# Altium PCB CU-ON-OFF-V2-08-11-18.PcbDoc (part 5 of 14)
Units mm, origin at the board's own origin, x right, y up, seen from the top; angles counter-clockwise.
Board outline 213 x 122.62 mm, 2 copper layers (Top Layer, Bottom Layer); 304 components, 53 nets, 991 pads, 702 vias.
Unrouted connection lines stored in the file: 1.
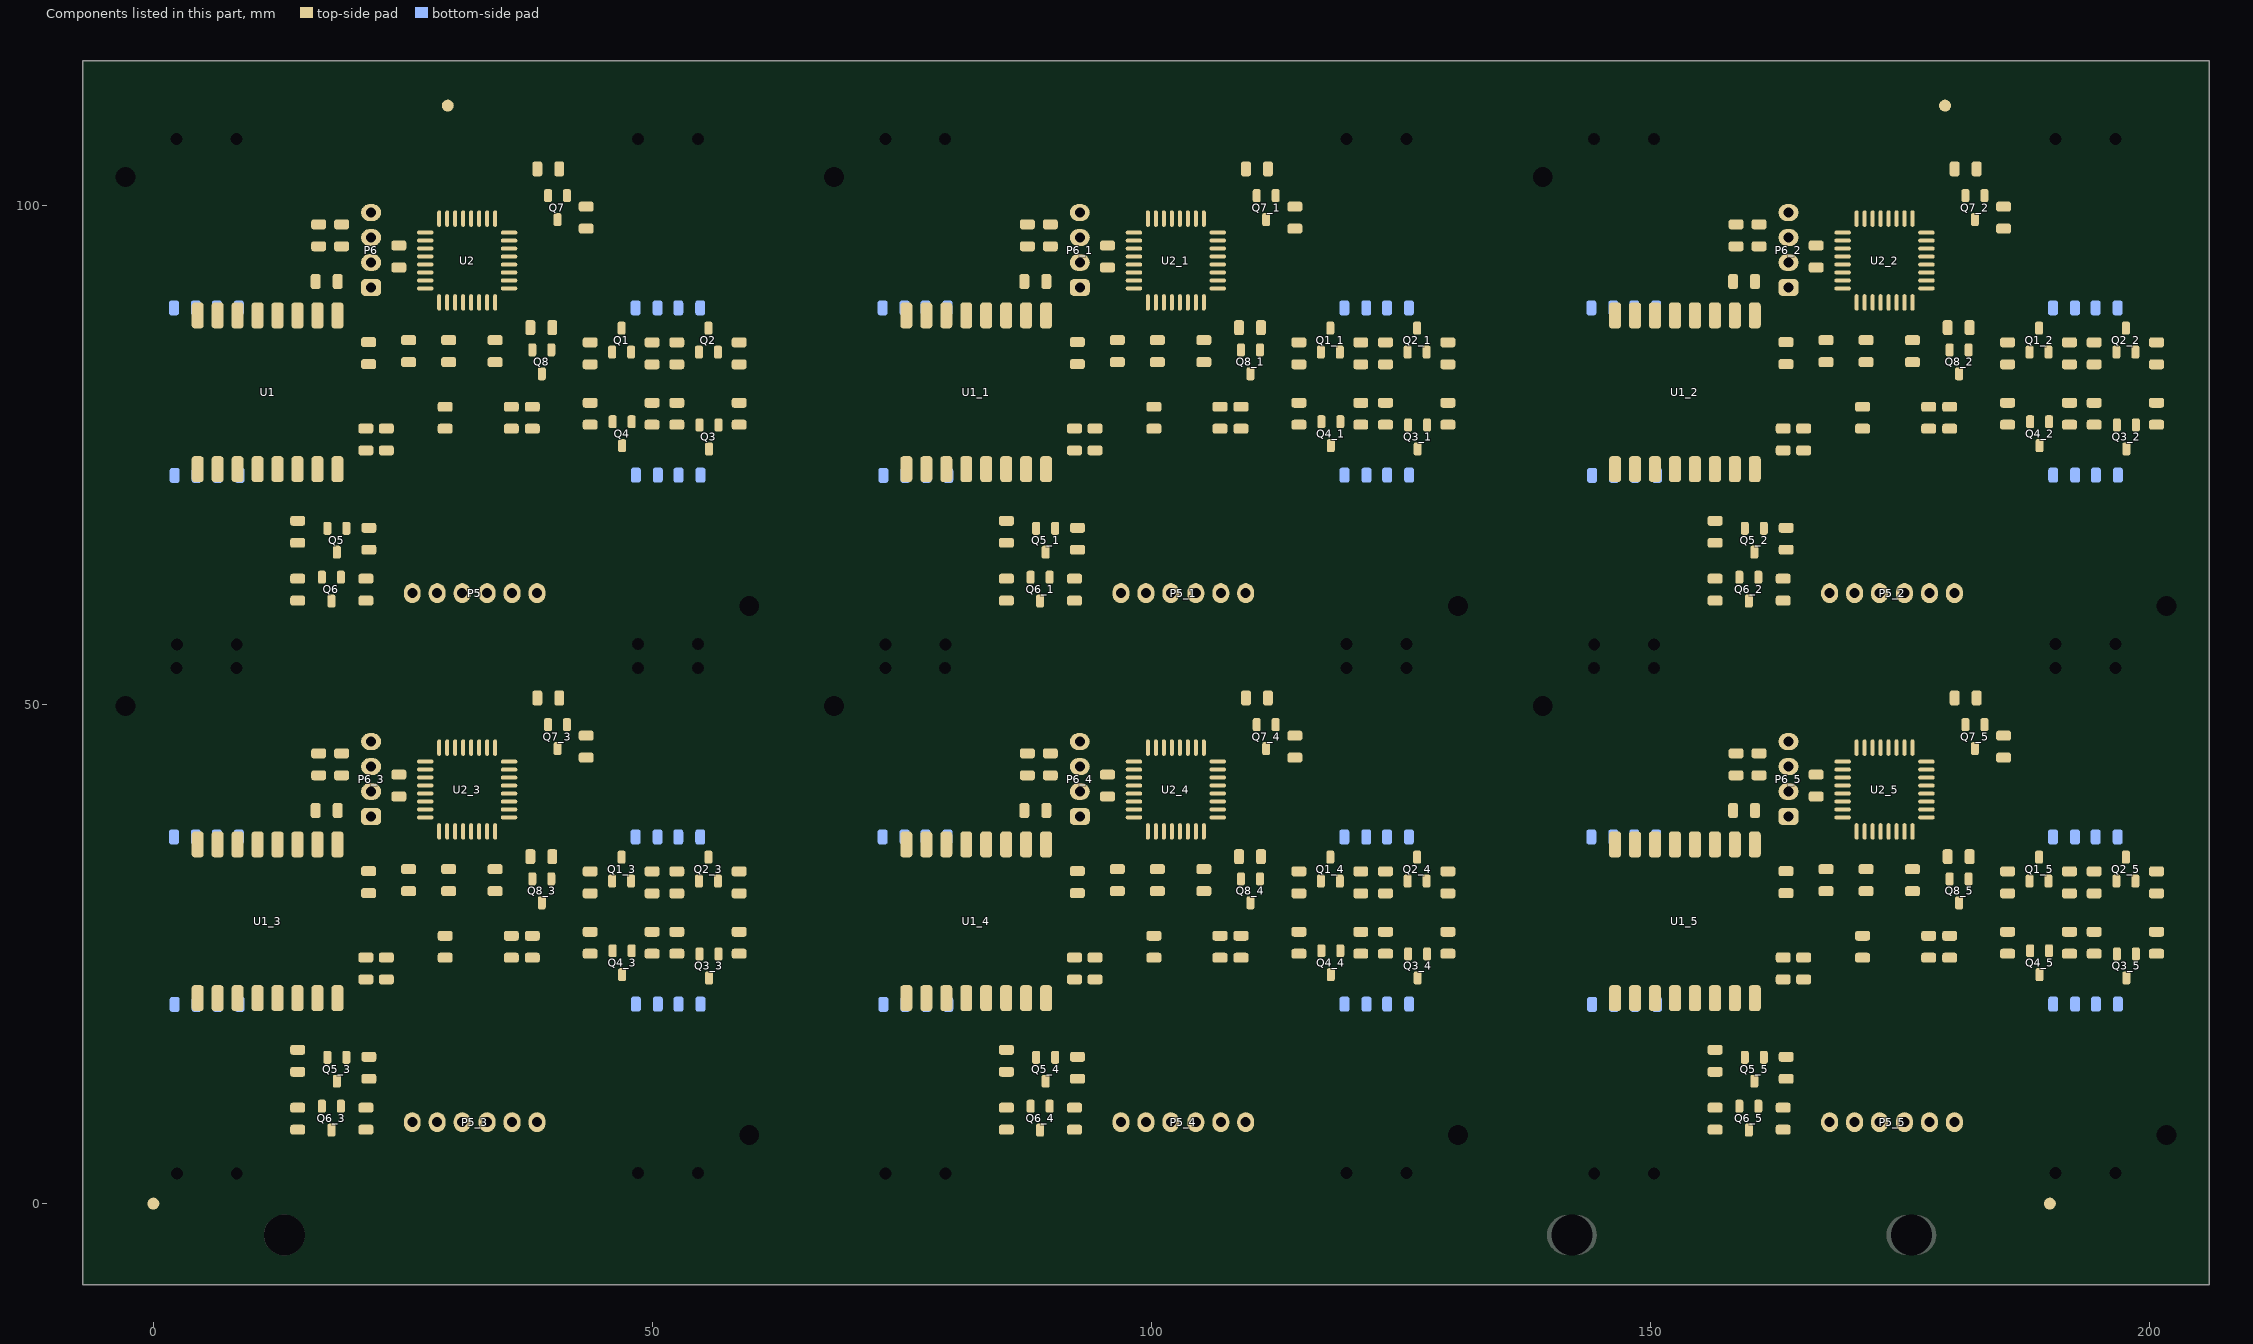
[diagram p5: the components of this part, seen from the top]

## Via types
v1: diameter 0.8, hole 0.5, Top Layer to Bottom Layer, 702 vias

## Nets (pads, with @x,y where several pads share a name; then routed paths per layer and width w, separated by ;. In a path a pad name is that pad's centre, name@x,y a point inside that pad or via, vN(x,y) a via of type N, cw(c..) or ccw(c..) an arc to the next point about the centre after c; other vN are vias at no path point) (continued)
copper on no net: (continued)
  Top Layer w0.4: v1@96.191,44.932 96.191,43.667 ccw(c97.301,43.667) 96.516,42.882 ; v1@96.191,97.931 96.191,96.666 ccw(c97.301,96.666) 96.516,95.881 ; 96.216,20.607 96.845,19.977 ; 96.216,73.606 96.845,72.976 ; 96.366,31.095 cw(c95.854,30.583) 96.578,30.583 cw(c97.303,30.583) 96.791,31.095 ; 96.366,84.094 cw(c95.854,83.582) 96.578,83.582 cw(c97.303,83.582) 96.791,84.094 ; 96.39,19.882 cw(c96.39,21.106) v1@95.525,20.241 ; 96.39,72.881 cw(c96.39,74.105) v1@95.525,73.24 ; 96.416,10.882 97.28,10.882 ccw(c97.28,13.443) 99.091,11.632 cw(c97.642,13.081) 97.642,11.032 92.54,11.032 ccw(c92.54,10.008) 91.816,10.732 ccw(c91.997,10.551) 91.741,10.551 91.741,10.216 ; 96.416,63.881 97.28,63.881 ccw(c97.28,66.442) 99.091,64.631 cw(c97.642,66.08) 97.642,64.031 92.54,64.031 ccw(c92.54,63.007) 91.816,63.731 ccw(c91.997,63.55) 91.741,63.55 91.741,63.215 ; v1@96.437,29.523 ccw(c96.096,29.865) 96.578,29.865 ccw(c97.061,29.865) v1@96.72,29.523 ; v1@96.437,30.016 cw(c96.096,29.674) 96.578,29.674 cw(c97.061,29.674) v1@96.72,30.016 ; v1@96.437,30.298 ccw(c96.096,30.64) 96.578,30.64 ccw(c97.061,30.64) v1@96.72,30.298 ; v1@96.437,82.522 ccw(c96.096,82.864) 96.578,82.864 ccw(c97.061,82.864) v1@96.72,82.522 ; v1@96.437,83.015 cw(c96.096,82.673) 96.578,82.673 cw(c97.061,82.673) v1@96.72,83.015 ; v1@96.437,83.297 ccw(c96.096,83.639) 96.578,83.639 ccw(c97.061,83.639) v1@96.72,83.297 ; v1@96.461,29.995 cw(c96.326,29.809) v1@96.548,29.75 ; v1@96.461,82.994 cw(c96.326,82.808) v1@96.548,82.749 ; v1@96.578,29.107 96.578,31.307 ; v1@96.578,82.106 96.578,84.306 ; v1@96.609,29.75 cw(c96.831,29.809) v1@96.696,29.995 ; v1@96.609,82.749 cw(c96.831,82.808) v1@96.696,82.994 ; 96.828,33.807 ccw(c96.828,34.682) 97.447,34.063 ; 96.828,86.806 ccw(c96.828,87.681) 97.447,87.062 ; 96.941,36.582 ccw(c95.311,38.212) 97.616,38.212 97.616,38.632 ; 96.941,89.581 ccw(c95.311,91.211) 97.616,91.211 97.616,91.631 ; 97.128,33.507 cw(c97.702,33.507) 97.296,33.912 ; 97.128,86.506 cw(c97.702,86.506) 97.296,86.911 ; 97.29,41.082 ccw(c97.29,39.333) 96.053,40.57 97.211,40.575 ; 97.29,94.081 ccw(c97.29,92.332) 96.053,93.569 97.211,93.574 ; 97.591,44.307 97.591,44.997 cw(c97.676,44.997) 97.616,45.057 cw(c97.676,44.997) 97.676,45.082 97.941,45.082 cw(c97.941,44.841) 98.112,45.011 98.841,44.282 ; 97.591,97.306 97.591,97.996 cw(c97.676,97.996) 97.616,98.056 cw(c97.676,97.996) 97.676,98.081 97.941,98.081 cw(c97.941,97.84) 98.112,98.01 98.841,97.281 ; 97.741,25.457 cw(c96.534,26.664) 96.534,24.957 91.521,24.957 ccw(c91.521,23.677) 90.616,24.582 ; 97.741,78.456 cw(c96.534,79.663) 96.534,77.956 91.521,77.956 ccw(c91.521,76.676) 90.616,77.581 ; 98.166,12.657 cw(c97.08,13.743) 97.08,12.207 ; 98.166,65.656 cw(c97.08,66.742) 97.08,65.206 ; 98.24,40.579 97.211,40.575 ; 98.24,93.578 97.211,93.574 ; 98.241,38.682 98.241,37.882 ; 98.241,39.482 96.591,39.482 96.041,38.932 96.041,37.282 91.791,33.032 ; 98.241,43.482 102.89,43.482 ccw(c102.89,44.165) 103.373,43.682 cw(c103.166,43.689) 103.166,43.482 ; 98.241,91.681 98.241,90.881 ; 98.241,92.481 96.591,92.481 96.041,91.931 96.041,90.281 91.791,86.031 ; 98.241,96.481 102.89,96.481 ccw(c102.89,97.164) 103.373,96.681 cw(c103.166,96.688) 103.166,96.481 ; 98.391,26.107 cw(c99.417,25.081) 99.417,26.532 100.391,26.532 ; 98.391,79.106 cw(c99.417,78.08) 99.417,79.531 100.391,79.531 ; 98.641,13.132 cw(c97.856,13.917) 97.856,12.807 92.941,12.807 93.131,12.807 cw(c93.131,12.722) 93.191,12.782 ccw(c93.855,13.446) 93.855,12.507 95.316,12.507 93.89,12.507 ccw(c93.89,11.483) 93.166,12.207 92.841,12.207 97.08,12.207 ; 98.641,66.131 cw(c97.856,66.916) 97.856,65.806 92.941,65.806 93.131,65.806 cw(c93.131,65.721) 93.191,65.781 ccw(c93.855,66.445) 93.855,65.506 95.316,65.506 93.89,65.506 ccw(c93.89,64.482) 93.166,65.206 92.841,65.206 97.08,65.206 ; 98.841,40.307 98.865,41.062 98.866,41.082 98.241,41.082 ; 98.841,40.832 98.496,40.827 ; 98.841,41.932 98.841,42.682 ; 98.841,93.306 98.865,94.061 98.866,94.081 98.241,94.081 ; 98.841,93.831 98.496,93.826 ; 98.841,94.931 98.841,95.681 ; 98.866,38.657 cw(c98.504,38.657) 98.76,38.401 98.241,37.882 ; 98.866,91.656 cw(c98.504,91.656) 98.76,91.4 98.241,90.881 ; 98.887,19.882 cw(c98.887,19.228) v1@99.35,19.691 ; 98.887,72.881 cw(c98.887,72.227) v1@99.35,72.69 ; 99.041,26.757 99.31,27.026 cw(c99.566,26.77) 99.566,27.132 100.566,27.132 ; 99.041,79.756 99.31,80.025 cw(c99.566,79.769) 99.566,80.131 100.566,80.131 ; 99.116,32.282 cw(c100.142,32.282) 99.416,33.008 99.441,33.032 cw(c99.863,32.61) 99.863,33.207 100.891,33.207 101.106,33.207 ccw(c101.106,33.292) 101.166,33.232 ccw(c100.985,33.413) 101.241,33.413 101.241,35.282 ; 99.116,85.281 cw(c100.142,85.281) 99.416,86.007 99.441,86.031 cw(c99.863,85.609) 99.863,86.206 100.891,86.206 101.106,86.206 ccw(c101.106,86.291) 101.166,86.231 ccw(c100.985,86.412) 101.241,86.412 101.241,88.281 ; v1@99.166,19.607 v1@99.391,19.832 ; v1@99.166,72.606 v1@99.391,72.831 ; 99.358,35.974 ccw(c98.675,36.657) 99.641,36.657 ; 99.358,88.973 ccw(c98.675,89.656) 99.641,89.656 ; 99.429,46.819 cw(c98.917,46.307) 99.641,46.307 ; 99.429,99.818 cw(c98.917,99.306) 99.641,99.306 ; v1@99.441,20.557 v1(99.491,20.607) ; v1@99.441,73.556 v1(99.491,73.606) ; v1@99.516,23.557 99.516,24.726 cw(c99.772,24.726) 99.591,24.907 cw(c99.651,24.847) 99.651,24.932 99.816,24.932 ; v1@99.516,76.556 99.516,77.725 cw(c99.772,77.725) 99.591,77.906 cw(c99.651,77.846) 99.651,77.931 99.816,77.931 ; 99.591,24.082 100.866,24.082 ; 99.591,77.081 100.866,77.081 ; 99.616,45.057 cw(c99.616,45.54) 99.275,45.198 98.891,45.582 ; 99.616,98.056 cw(c99.616,98.539) 99.275,98.197 98.891,98.581 ; 99.641,37.282 99.641,36.257 96.791,33.407 95.491,33.407 ; 99.641,37.832 95.21,33.401 ccw(c95.68,32.932) 95.016,32.932 ; 99.641,90.281 99.641,89.256 96.791,86.406 95.491,86.406 ; 99.641,90.831 95.21,86.4 ccw(c95.68,85.931) 95.016,85.931 ; 99.779,26.62 ccw(c99.267,26.108) 99.267,26.832 ccw(c99.267,27.556) 99.779,27.044 ; 99.779,79.619 ccw(c99.267,79.107) 99.267,79.831 ccw(c99.267,80.555) 99.779,80.043 ; 99.791,26.832 99.116,26.832 96.941,24.657 ; 99.791,79.831 99.116,79.831 96.941,77.656 ; 99.798,33.432 cw(c99.798,32.964) 100.129,33.295 ; 99.798,86.431 cw(c99.798,85.963) 100.129,86.294 ; v1@99.829,23.762 ccw(c99.82,24.182) 100.241,24.182 ; v1@99.829,76.76 ccw(c99.82,77.181) 100.241,77.181 ; v1@99.837,23.362 ccw(c99.829,23.774) 100.241,23.774 ; v1@99.837,76.361 ccw(c99.829,76.773) 100.241,76.773 ; 99.966,33.432 99.591,33.432 ; 99.966,86.431 99.591,86.431 ; 100.029,24.42 cw(c99.517,23.908) 100.241,23.908 cw(c100.965,23.908) 100.453,24.42 ; 100.029,77.419 cw(c99.517,76.907) 100.241,76.907 cw(c100.965,76.907) 100.453,77.419 ; 100.101,33.687 cw(c99.591,34.069) 99.591,33.432 ; 100.101,86.686 cw(c99.591,87.068) 99.591,86.431 ; 100.122,24.351 ccw(c100.973,24.579) v1@100.675,23.75 ; 100.122,77.35 ccw(c100.973,77.578) v1@100.675,76.749 ; 100.241,23.332 100.241,24.182 ; 100.241,23.744 ccw(c100.624,23.744) v1@100.59,23.362 ; 100.241,76.331 100.241,77.181 ; 100.241,76.743 ccw(c100.624,76.743) v1@100.59,76.361 ; 100.379,31.095 cw(c99.867,30.583) 100.591,30.583 cw(c101.315,30.583) 100.803,31.095 ; 100.379,33.719 ccw(c99.867,34.231) 100.591,34.231 ccw(c101.315,34.231) 100.803,33.719 ; 100.379,84.094 cw(c99.867,83.582) 100.591,83.582 cw(c101.315,83.582) 100.803,84.094 ; 100.379,86.718 ccw(c99.867,87.23) 100.591,87.23 ccw(c101.315,87.23) 100.803,86.718 ; 100.441,37.282 100.441,35.782 98.241,33.582 98.241,28.982 96.183,26.924 89.008,26.924 85.441,23.357 ; 100.441,45.682 100.441,47.357 99.746,48.052 90.636,48.052 ; 100.441,90.281 100.441,88.781 98.241,86.581 98.241,81.981 96.183,79.923 89.008,79.923 85.441,76.356 ; 100.441,98.681 100.441,100.356 99.746,101.051 90.636,101.051 ; v1@100.45,29.548 ccw(c100.108,29.89) 100.591,29.89 ccw(c101.074,29.89) v1@100.732,29.548 ; v1@100.45,30.041 cw(c100.108,29.699) 100.591,29.699 cw(c101.074,29.699) v1@100.732,30.041 ; v1@100.45,30.323 ccw(c100.108,30.665) 100.591,30.665 ccw(c101.074,30.665) v1@100.732,30.323 ; v1@100.45,82.547 ccw(c100.108,82.889) 100.591,82.889 ccw(c101.074,82.889) v1@100.732,82.547 ; v1@100.45,83.04 cw(c100.108,82.698) 100.591,82.698 cw(c101.074,82.698) v1@100.732,83.04 ; v1@100.45,83.322 ccw(c100.108,83.664) 100.591,83.664 ccw(c101.074,83.664) v1@100.732,83.322 ; v1@100.473,29.569 ccw(c100.338,29.755) v1@100.56,29.814 ; v1@100.473,82.568 ccw(c100.338,82.754) v1@100.56,82.813 ; v1(100.591,29.407) 100.591,31.057 ; 100.591,33.507 100.591,34.632 ; v1(100.591,82.406) 100.591,84.056 ; 100.591,86.506 100.591,87.631 ; v1@100.622,29.814 ccw(c100.844,29.755) v1@100.709,29.569 ; v1@100.622,82.813 ccw(c100.844,82.754) v1@100.709,82.568 ; v1@100.626,23.761 cw(c100.664,24.182) 100.241,24.182 ; v1@100.626,76.76 cw(c100.664,77.181) 100.241,77.181 ; 100.641,24.932 100.831,24.932 cw(c100.831,24.847) 100.891,24.907 cw(c100.831,24.847) 100.916,24.847 v1@100.916,23.532 ; 100.641,77.931 100.831,77.931 cw(c100.831,77.846) 100.891,77.906 cw(c100.831,77.846) 100.916,77.846 v1@100.916,76.531 ; 101.241,37.282 101.241,35.282 ; 101.241,45.682 101.241,48.082 100.426,48.897 88.231,48.897 85.916,46.582 85.916,40.432 83.441,37.957 ; 101.241,90.281 101.241,88.281 ; 101.241,98.681 101.241,101.081 100.426,101.896 88.231,101.896 85.916,99.581 85.916,93.431 83.441,90.956 ; 101.316,8.432 101.741,11.157 ; 101.316,61.431 101.741,64.156 ; 101.481,8.767 ccw(c100.372,9.876) 101.941,9.876 ccw(c103.51,9.876) 102.401,8.767 ; 101.481,61.766 ccw(c100.372,62.875) 101.941,62.875 ccw(c103.51,62.875) 102.401,61.766 ; 102.041,45.682 102.041,48.807 101.106,49.742 87.601,49.742 84.966,47.107 84.966,40.807 82.716,38.557 80.191,38.557 79.441,37.807 ; 102.041,98.681 102.041,101.806 101.106,102.741 87.601,102.741 84.966,100.106 84.966,93.806 82.716,91.556 80.191,91.556 79.441,90.806 ; v1(102.066,39.782) v1(102.841,39.782) 103.941,39.782 104.441,39.282 104.441,37.282 ; v1(102.066,92.781) v1(102.841,92.781) 103.941,92.781 104.441,92.281 104.441,90.281 ; v1@102.207,39.641 cw(c102.549,39.299) 102.549,39.782 cw(c102.549,40.265) v1@102.207,39.923 ; v1@102.207,92.64 cw(c102.549,92.298) 102.549,92.781 cw(c102.549,93.264) v1@102.207,92.922 ; v1@102.228,39.664 cw(c102.414,39.529) v1@102.473,39.751 ; v1@102.228,39.9 ccw(c102.414,40.035) v1@102.473,39.813 ; v1@102.228,92.663 cw(c102.414,92.528) v1@102.473,92.75 ; v1@102.228,92.899 ccw(c102.414,93.034) v1@102.473,92.812 ; 102.366,16.857 ccw(c101.219,18.004) 102.841,18.004 102.841,18.707 ; 102.366,69.856 ccw(c101.219,71.003) 102.841,71.003 102.841,71.706 ; 102.491,40.082 103.648,40.082 cw(c103.648,39.314) 104.191,39.857 cw(c103.587,39.253) 104.441,39.253 104.441,38.568 ; 102.491,93.081 103.648,93.081 cw(c103.648,92.313) 104.191,92.856 cw(c103.587,92.252) 104.441,92.252 104.441,91.567 ; v1@102.591,42.232 102.591,42.451 cw(c102.847,42.451) 102.666,42.632 cw(c102.787,42.511) 102.787,42.682 105.099,42.682 ccw(c105.099,40.714) v1@103.707,42.106 ; v1@102.591,95.231 102.591,95.45 cw(c102.847,95.45) 102.666,95.631 cw(c102.787,95.51) 102.787,95.681 105.099,95.681 ccw(c105.099,93.713) v1@103.707,95.105 ; v1@102.7,39.641 ccw(c102.358,39.299) 102.358,39.782 ccw(c102.358,40.265) v1@102.7,39.923 ; v1@102.7,92.64 ccw(c102.358,92.298) 102.358,92.781 ccw(c102.358,93.264) v1@102.7,92.922 ; v1@102.791,42.272 103.566,42.272 103.976,42.682 106.641,42.682 ; v1@102.791,95.271 103.566,95.271 103.976,95.681 106.641,95.681 ; v1@102.816,39.482 103.562,39.482 cw(c103.562,38.628) 104.166,39.232 cw(c103.502,38.568) 104.441,38.568 ; v1@102.816,92.481 103.562,92.481 cw(c103.562,91.627) 104.166,92.231 cw(c103.502,91.567) 104.441,91.567 ; 102.841,37.282 102.841,17.332 ; 102.841,45.682 102.841,49.507 101.761,50.587 86.871,50.587 84.016,47.732 84.016,41.082 82.366,39.432 79.316,39.432 77.441,37.557 ; 102.841,90.281 102.841,70.331 ; 102.841,98.681 102.841,102.506 101.761,103.586 86.871,103.586 84.016,100.731 84.016,94.081 82.366,92.431 79.316,92.431 77.441,90.556 ; v1@102.932,42.106 cw(c103.334,41.704) v1@103.334,42.272 ; v1@102.932,42.388 ccw(c103.213,42.67) v1@103.213,42.272 ; v1@102.932,95.105 cw(c103.334,94.703) v1@103.334,95.271 ; v1@102.932,95.387 ccw(c103.213,95.668) v1@103.213,95.271 ; v1@102.939,43.816 ccw(c103.747,44.624) v1@103.747,43.482 ; v1@102.939,96.815 ccw(c103.747,97.623) v1@103.747,96.481 ; v1@102.982,39.641 cw(c103.324,39.299) 103.324,39.782 cw(c103.324,40.265) v1@102.982,39.923 ; v1@102.982,92.64 cw(c103.324,92.298) 103.324,92.781 cw(c103.324,93.264) v1@102.982,92.922 ; v1@103.023,42.272 cw(c103.023,41.704) v1@103.425,42.106 ; v1@103.023,95.271 cw(c103.023,94.703) v1@103.425,95.105 ; 103.041,15.582 ccw(c101.592,17.031) 103.641,17.031 103.641,17.932 ; 103.041,68.581 ccw(c101.592,70.03) 103.641,70.03 103.641,70.931 ; v1@103.075,43.876 v1@102.5,43.876 ; v1@103.075,96.875 v1@102.5,96.875 ; v1@103.127,42.295 ccw(c103.202,42.576) v1@103.417,42.381 ; v1@103.127,95.294 ccw(c103.202,95.575) v1@103.417,95.38 ; v1@103.143,42.272 ccw(c103.143,42.67) 103.425,42.388 cw(c104.133,41.68) 104.133,42.682 ; v1@103.143,95.271 ccw(c103.143,95.668) 103.425,95.387 cw(c104.133,94.679) 104.133,95.681 ; v1@103.566,42.447 ccw(c103.566,42.87) 103.865,42.571 ; v1@103.566,95.446 ccw(c103.566,95.868) 103.865,95.57 ; 103.641,37.282 103.641,16.182 ; 103.641,90.281 103.641,69.181 ; v1@103.766,42.247 cw(c104.309,42.247) 103.925,42.631 ; v1@103.766,95.246 cw(c104.309,95.246) 103.925,95.63 ; 104.441,36.032 104.441,35.511 ccw(c105.294,35.511) 104.691,34.907 cw(c104.691,34.786) 104.776,34.872 105.72,33.928 cw(c105.55,33.757) 105.791,33.757 ; 104.441,89.031 104.441,88.51 ccw(c105.294,88.51) 104.691,87.906 cw(c104.691,87.785) 104.776,87.871 105.72,86.927 cw(c105.55,86.756) 105.791,86.756 ; 104.691,30.857 104.691,31.357 ; 104.691,83.856 104.691,84.356 ; 104.891,33.207 104.697,33.207 cw(c104.697,33.463) 104.516,33.282 cw(c104.697,33.463) 104.441,33.463 104.441,35.207 ; 104.891,86.206 104.697,86.206 cw(c104.697,86.462) 104.516,86.281 cw(c104.697,86.462) 104.441,86.462 104.441,88.206 ; 104.916,30.907 105.116,31.107 ; 104.916,83.906 105.116,84.106 ; 105.029,33.719 ccw(c104.517,34.231) 105.241,34.231 ccw(c105.965,34.231) 105.453,33.719 ; 105.029,86.718 ccw(c104.517,87.23) 105.241,87.23 ccw(c105.965,87.23) 105.453,86.718 ; 105.241,33.307 105.241,34.407 104.441,35.207 ; 105.241,37.282 105.241,35.807 106.441,34.607 ; 105.241,37.932 105.816,37.357 105.816,36.923 ccw(c107.182,36.923) 106.216,35.957 106.618,35.555 ccw(c107.216,36.152) 107.216,35.307 108.639,35.307 cw(c108.639,34.88) 108.941,35.182 ; 105.241,45.057 ccw(c105.241,45.48) 105.54,45.181 106.066,45.707 ccw(c105.523,46.25) 106.291,46.25 106.291,47.311 ccw(c106.12,47.311) 106.241,47.432 ccw(c106,47.191) 106,47.532 105.351,47.532 ccw(c105.351,47.447) 105.291,47.507 ccw(c105.412,47.386) 105.241,47.386 105.241,45.682 ; 105.241,86.306 105.241,87.406 104.441,88.206 ; 105.241,90.281 105.241,88.806 106.441,87.606 ; 105.241,90.931 105.816,90.356 105.816,89.922 ccw(c107.182,89.922) 106.216,88.956 106.618,88.553 ccw(c107.216,89.151) 107.216,88.306 108.639,88.306 cw(c108.639,87.879) 108.941,88.181 ; 105.241,98.056 ccw(c105.241,98.478) 105.54,98.18 106.066,98.706 ccw(c105.523,99.249) 106.291,99.249 106.291,100.31 ccw(c106.12,100.31) 106.241,100.431 ccw(c106,100.19) 106,100.531 105.351,100.531 ccw(c105.351,100.446) 105.291,100.506 ccw(c105.412,100.385) 105.241,100.385 105.241,98.681 ; 105.266,30.432 cw(c105.93,30.432) 105.46,30.901 105.591,31.032 ; 105.266,83.431 cw(c105.93,83.431) 105.46,83.9 105.591,84.031 ; 105.579,30.52 ccw(c105.067,31.032) 105.791,31.032 ; 105.579,83.519 ccw(c105.067,84.031) 105.791,84.031 ; 106.066,44.282 107.516,45.732 107.566,45.732 108.356,45.732 ; 106.066,97.281 107.516,98.731 107.566,98.731 108.356,98.731 ; 106.091,38.682 ccw(c106.212,38.682) 106.126,38.597 106.542,38.181 cw(c105.517,37.157) 106.966,37.157 ; 106.091,91.681 ccw(c106.212,91.681) 106.126,91.596 106.542,91.18 cw(c105.517,90.156) 106.966,90.156 ; 106.341,24.332 cw(c104.892,22.884) 106.941,22.884 106.941,21.857 106.941,22.236 cw(c109.587,22.236) 107.716,24.107 ; 106.341,24.507 106.341,8.148 ccw(c106.682,8.148) 106.441,7.907 ; 106.341,77.331 cw(c104.892,75.882) 106.941,75.882 106.941,74.856 106.941,75.235 cw(c109.587,75.235) 107.716,77.106 ; 106.341,77.506 106.341,61.147 ccw(c106.682,61.147) 106.441,60.906 ; 106.481,8.767 ccw(c105.372,9.876) 106.941,9.876 ccw(c108.51,9.876) 107.401,8.767 ; 106.481,61.766 ccw(c105.372,62.875) 106.941,62.875 ccw(c108.51,62.875) 107.401,61.766 ; 106.641,38.682 106.641,38.082 107.266,37.457 v1(107.266,36.807) ; 106.641,40.282 109.866,40.282 112.916,37.232 112.916,23.217 v1@121.27,14.863 ; 106.641,41.082 118.62,41.082 119.545,42.007 v1@119.552,42 ; 106.641,41.882 111.291,41.882 ; 106.641,44.282 108.289,44.282 ccw(c108.289,44.709) 108.591,44.407 ccw(c108.531,44.467) 108.616,44.467 108.616,45.224 ; 106.641,91.681 106.641,91.081 107.266,90.456 v1(107.266,89.806) ; 106.641,93.281 109.866,93.281 112.916,90.231 112.916,76.216 v1@121.27,67.862 ; 106.641,94.081 118.62,94.081 119.545,95.006 v1@119.552,94.999 ; 106.641,94.881 111.291,94.881 ; 106.641,97.281 108.289,97.281 ccw(c108.289,97.708) 108.591,97.406 ccw(c108.531,97.466) 108.616,97.466 108.616,98.223 ; 106.654,24.42 cw(c105.961,23.727) 106.941,23.727 ; 106.654,27.044 ccw(c106.142,27.556) 106.866,27.556 ccw(c107.59,27.556) 107.078,27.044 ; 106.654,77.419 cw(c105.961,76.726) 106.941,76.726 ; 106.654,80.043 ccw(c106.142,80.555) 106.866,80.555 ccw(c107.59,80.555) 107.078,80.043 ; 106.711,38.012 ccw(c107.266,38.567) v1@107.266,37.782 ; 106.711,91.011 ccw(c107.266,91.566) v1@107.266,90.781 ; 106.891,24.907 cw(c106.951,24.847) 106.951,24.932 109.266,24.932 ; 106.891,77.906 cw(c106.951,77.846) 106.951,77.931 109.266,77.931 ; 106.941,8.157 106.941,24.557 106.866,24.632 108.966,24.632 ; 106.941,24.089 cw(c107.409,24.089) 107.078,24.42 ; 106.941,61.156 106.941,77.556 106.866,77.631 108.966,77.631 ; 106.941,77.088 cw(c107.409,77.088) 107.078,77.419 ; 107.041,23.782 107.82,24.561 cw(c107.992,24.389) 107.992,24.632 ; 107.041,76.781 107.82,77.56 cw(c107.992,77.388) 107.992,77.631 ; v1@107.124,36.948 ccw(c106.783,37.29) 107.266,37.29 ccw(c107.749,37.29) v1@107.407,36.948 ; v1@107.124,37.441 cw(c106.783,37.099) 107.266,37.099 cw(c107.749,37.099) v1@107.407,37.441 ; v1@107.124,89.947 ccw(c106.783,90.289) 107.266,90.289 ccw(c107.749,90.289) v1@107.407,89.947 ; v1@107.124,90.44 cw(c106.783,90.098) 107.266,90.098 cw(c107.749,90.098) v1@107.407,90.44 ; v1@107.148,36.969 ccw(c107.013,37.155) v1@107.235,37.214 ; v1@107.148,89.968 ccw(c107.013,90.154) v1@107.235,90.213 ; 107.191,38.682 107.331,38.682 cw(c107.331,38.597) 107.391,38.657 cw(c106.968,38.235) 107.566,38.235 107.566,37.282 ; 107.191,91.681 107.331,91.681 cw(c107.331,91.596) 107.391,91.656 cw(c106.968,91.234) 107.566,91.234 107.566,90.281 ; v1@107.297,37.214 ccw(c107.519,37.155) v1@107.384,36.969 ; v1@107.297,90.213 ccw(c107.519,90.154) v1@107.384,89.968 ; 107.328,24.42 cw(c107.84,23.908) 107.84,24.632 cw(c107.84,25.356) 107.328,24.844 ; 107.328,26.62 cw(c107.84,26.108) 107.84,26.832 cw(c107.84,27.556) 107.328,27.044 ; 107.328,77.419 cw(c107.84,76.907) 107.84,77.631 cw(c107.84,78.355) 107.328,77.843 ; 107.328,79.619 cw(c107.84,79.107) 107.84,79.831 cw(c107.84,80.555) 107.328,80.043 ; 107.428,45.644 cw(c107.641,45.43) 107.641,45.732 ; 107.428,98.643 cw(c107.641,98.429) 107.641,98.731 ; 107.541,8.357 107.541,8.242 ccw(c107.626,8.242) 107.566,8.182 107.566,23.745 cw(c108.078,23.745) 107.716,24.107 ; 107.541,61.356 107.541,61.241 ccw(c107.626,61.241) 107.566,61.181 107.566,76.744 cw(c108.078,76.744) 107.716,77.106 ; 107.8,34.607 cw(c107.8,33.541) 108.554,34.295 ; 107.8,87.606 cw(c107.8,86.54) 108.554,87.294 ; v1@108.209,50.9 cw(c108.209,50.417) 108.551,50.759 cw(c108.892,51.1) v1@108.409,51.1 ; v1(108.209,51.1) 108.652,50.657 108.982,50.657 ; v1@108.209,103.899 cw(c108.209,103.416) 108.551,103.758 cw(c108.892,104.099) v1@108.409,104.099 ; v1(108.209,104.099) 108.652,103.656 108.982,103.656 ; v1@108.396,50.254 cw(c108.982,50.03) 108.982,50.657 ; v1@108.396,103.253 cw(c108.982,103.029) 108.982,103.656 ; 108.501,31.642 ccw(c107.861,32.282) 108.766,32.282 ; 108.501,84.641 ccw(c107.861,85.281) 